# Altium PCB S6 V1.2.PcbDoc (part 2 of 3) (continued)
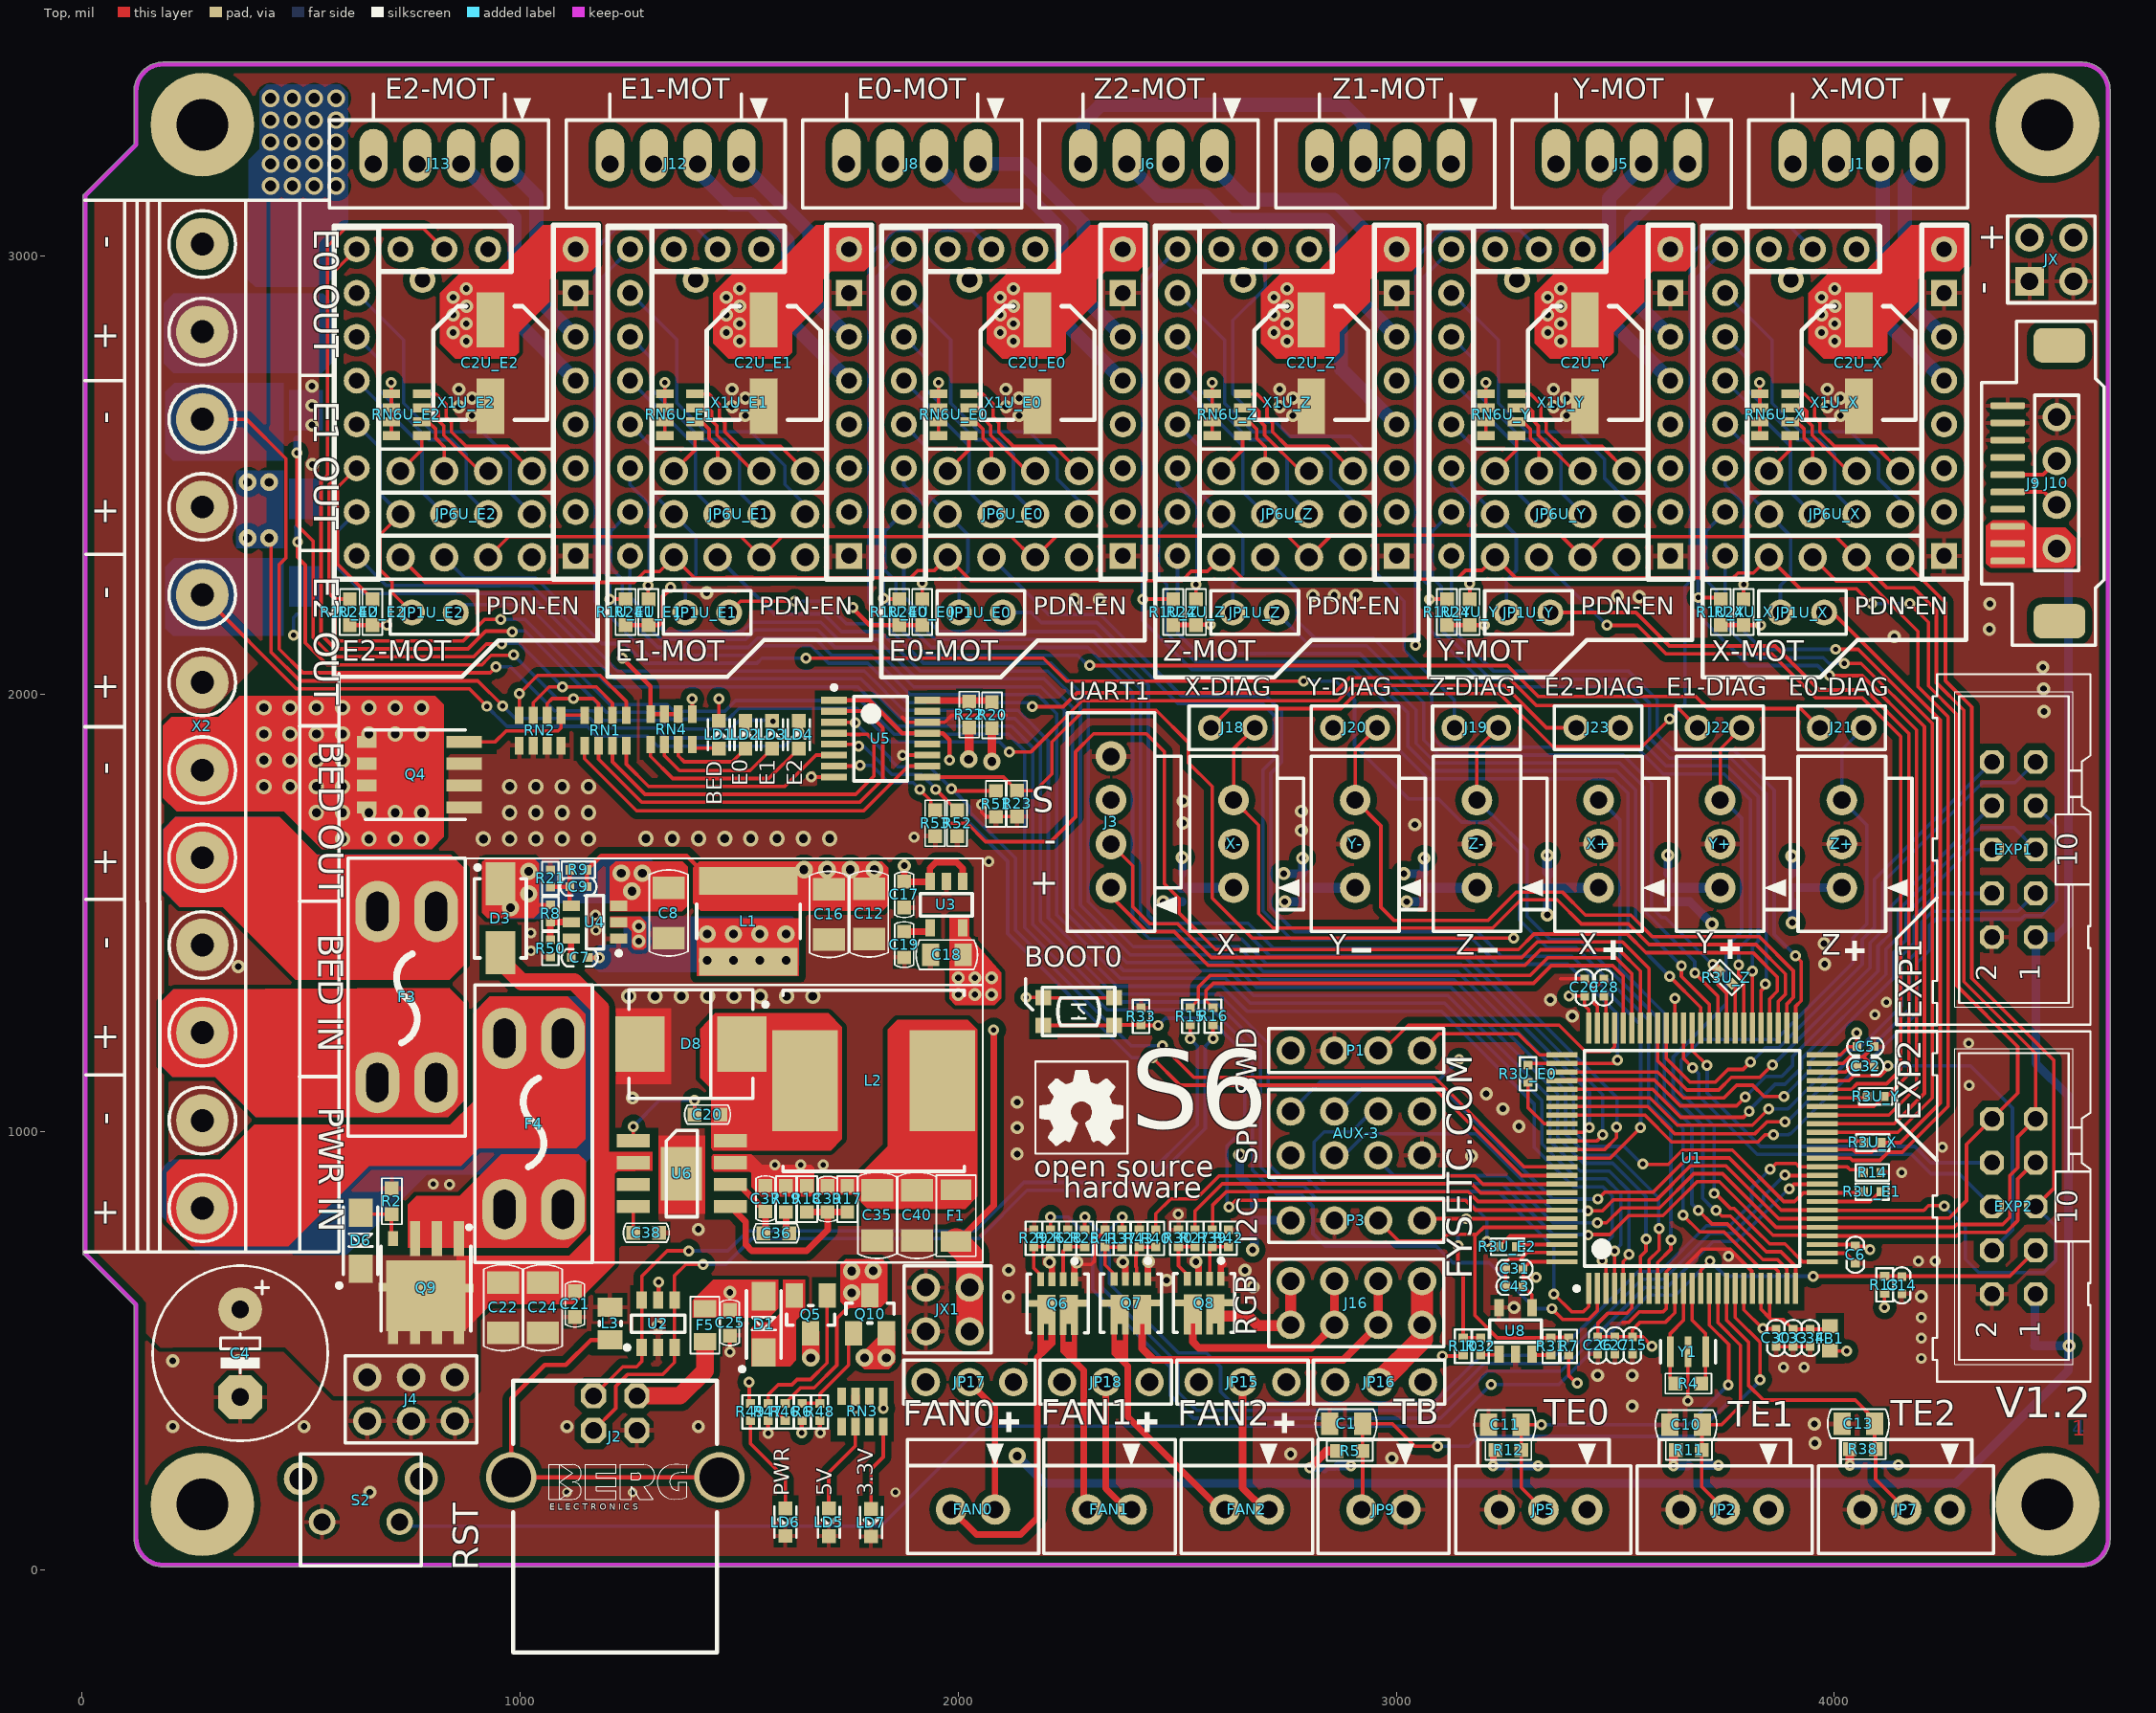
[diagram p0: Top view]
## Nets (pads, with @x,y where several pads share a name; then routed paths per layer and width w, separated by ;. In a path a pad name is that pad's centre, name@x,y a point inside that pad or via, vN(x,y) a via of type N, cw(c..) or ccw(c..) an arc to the next point about the centre after c; other vN are vias at no path point) (continued)
  Bottom w8: X1U_Y.8@3125.9,2315.32 3125.9,2149.01 3222.91,2052 3530.91,2052 3596,1986.91 3596,1907.32 3631.62,1871.69 3771.35,1871.69 3863,1780.04 3863,1451 v1(3911.85,1402.15)
DIRU_Z: U1.60 X1U_Z.8 | length 2051.9
  Top w8: v1(3681.54,1363) 3734.68,1309.86 U1.60@3734.68,1237.24
  Bottom w8: X1U_Z.8@2500.9,2315.32 2500.9,2139.01 2547.91,2092 2702.54,2092 2702.93,2092.39 2795.15,2092.39 2795.54,2092 2848.46,2092 2917,2092 3045,1964 3045,1887.52 3089.83,1842.69 3510.22,1842.69 3564.95,1787.96 3564.95,1505.6 3681.54,1389.01 v1(3681.54,1363)
E0: RN1.6 U5.2 | length 986.4
  Top w8: RN1.6@1179,1882 1179,1851.54 1277.54,1753 1775.3,1753 1828,1805.7 1828,1922.61 1789.61,1961 1717.2,1961 U5.2@1716.7,1960.5
E0-EN: R1U_E0.1 U1.85 X1U_E0.1 | length 3406.5
  Top w8: v1@1824.65,2218 1826.12,2216.53 R1U_E0.1@1866,2216.53 ; U1.85@3378.39,999.06 3429.93,999.06 v1(3441.21,1010.33)
  Bottom w8: X1U_E0.1@1875.9,3015.32 1814,2953.42 1814,2270.61 1829.65,2254.96 v1(1829.65,2218) 1829.65,2215.35 1938.53,2106.47 2296,2106.47 2398,2004.48 2398,1480.01 2437.13,1440.88 2647.21,1440.88 2704.1,1384 3147.76,1384 3441.21,1090.55 v1(3441.21,1010.33)
E0-Heater: R51.1 U1.89 U5.3 | length 2293.7
  Top w8: U5.3@1716.7,1935.5 v1@1765,1935.5 ; v1(1985,1784) 1990.3,1778.7 R51.1@2086.22,1778.7 ; v1(2466,1197.09) 2538.09,1125 3087.58,1125 3292.26,920.32 U1.89@3378.39,920.32
  Bottom w8: v1(1765,1934) 1846.18,1852.82 1846.18,1849.52 1861.71,1834 1934.48,1834 1984.48,1784 v1(1985,1784) 2026.75,1742.25 2026.75,1729.71 2131.04,1625.42 2131.04,1460.73 2394.67,1197.09 v1(2466,1197.09) v1@2469,1197.09
E0-STEP: U1.86 X1U_E0.7 | length 2809.6
  Top w8: U1.86@3378.39,979.37 3457.37,979.37 3471.5,993.5 v1(3471.5,993.96)
  Bottom w8: X1U_E0.7@1875.9,2415.32 1832.18,2371.6 1832.18,2282.9 1857.9,2257.18 1857.9,2214.42 1947.84,2124.47 2303.46,2124.47 2416,2011.93 2416,1487.47 2444.58,1458.88 2654.67,1458.88 2711.55,1402 3155.21,1402 3471.5,1085.71 3471.5,1004.02 3472,1003.52 3471.5,1003.02 v1(3471.5,993.96)
E1: RN1.7 U5.4 | length 861
  Top w8: RN1.7@1210.75,1882 1210.75,1845.25 1285,1771 1766.31,1771 1807.69,1812.39 1807.69,1893.31 1793,1908 1776.48,1908 1775.98,1907.5 1754.02,1907.5 1753.52,1908 1719.2,1908 U5.4@1716.7,1910.5
E1-EN: R1U_E1.1 U1.4 X1U_E1.1 | length 4326.4
  Top w8: v1(1204.47,2216.53) R1U_E1.1@1241,2216.53 ; U1.4@3498.46,642.76 v1(3498.46,728.57)
  Bottom w8: X1U_E1.1@1250.9,3015.32 1189.18,2953.6 1189.18,2279.53 1204.47,2264.24 v1(1204.47,2216.53) 1314.53,2106.47 1521.77,2106.47 1543.3,2128 1671.63,2128 1711.16,2088.47 1800.7,2088.47 1820.68,2068.5 ; 1820.71,2068.5 1890.74,1998.47 1924.32,1998.47 ; 1945.38,1998.47 1924.32,1998.47 ; v1(3498.46,728.57) 3513,743.11 3513,859.34 3479.34,893 3412.74,893 3332.74,973 3332.74,1071.74 3110.48,1294 2666.82,1294 2609.93,1350.88 2369.82,1350.88 2225,1495.71 2225,1955.18 2181.7,1998.47 1924.32,1998.47
E1-Heater: R52.1 U1.90 U5.5 | length 2242.5
  Top w8: U5.5@1716.7,1885.5 1768.5,1885.5 v1(1773,1881) ; v1(1949,1782) R52.1@1996.49,1734.51 ; R52.1@1997.78,1734.51 R52.1@1996.49,1734.51 ; R52.1@2001.47,1729.53 R52.1@1996.49,1734.51 ; v1(2443.25,1170) 2506.25,1107 3080.12,1107 3286.49,900.63 U1.90@3378.39,900.63
  Bottom w8: v1(1773,1881) 1784.25,1881 1849.25,1816 1916.48,1816 1949,1783.48 v1(1949,1782) 2113.04,1617.96 2113.04,1453.27 2396.31,1170 v1(2443.25,1170)
E1-STEP: U1.5 X1U_E1.7 | length 3665.1
  Top w8: U1.5@3518.15,642.76 3518.15,704.32 v1@3537,723.17
  Bottom w8: X1U_E1.7@1250.9,2415.32 1207.18,2371.6 1207.18,2287.46 1232.9,2261.74 1232.9,2213.56 1321.98,2124.47 1514.31,2124.47 1535.84,2146 1679.09,2146 1718.62,2106.47 1808.16,2106.47 1828.13,2086.5 ; 1828.17,2086.5 1898.19,2016.47 2189.16,2016.47 2243,1962.63 2243,1503.16 2377.28,1368.88 2617.39,1368.88 2674.27,1312 3117.94,1312 3350.74,1079.19 3350.74,980.45 3420.2,911 3486.79,911 3531,866.79 v1(3531,721.17)
E2: RN1.8 U5.6 | length 567.3
  Top w8: RN1.8@1242.24,1882 1242.24,1839.86 1293.1,1789 1604,1789 1675.5,1860.5 U5.6@1716.7,1860.5
E2-EN: R1U_E2.1 U1.2 X1U_E2.1 | length 5031.3
  Top w8: R1U_E2.1@611,2216.53 577.71,2216.53 577.18,2216 ; X1U_E2.1@626.9,3015.32 578,2966.42 578,2492.36 563.5,2477.86 563.5,2229.68 577.18,2216 ; v1(956,2170) 919,2170 870,2121 587,2121 577.18,2130.82 577.18,2216 ; v1(3355,596.85) 3379.85,572 3438.79,572 3459.09,592.3 U1.2@3459.09,642.76
  Bottom w8: v1(956,2170) 1011,2170 1205,1976 1335.91,1976 1351.41,1960.5 1467.5,1960.5 1492,1985 1776.9,1985 1783.4,1978.5 1809.5,1952.43 ; 1809.5,1952.4 1853.43,1908.47 2114.07,1908.47 2152,1870.54 2152,1466.88 2340,1278.88 2580.11,1278.88 2636.99,1222 ; 2637,1222 2671.59,1187.41 2671.59,1186.62 2672,1186.21 2672,912.94 2726.2,858.74 2781.78,858.74 2810,830.52 2810,768.34 2838.34,740 3091.27,740 3129.5,701.77 3212.3,701.77 3317.23,596.85 v1(3355,596.85)
E2-Heater: R53.1 U1.54 U5.7 | length 2995.2
  Top w8: U5.7@1716.7,1835.5 1774.5,1835.5 v1(1776,1837) ; v1(1913,1782) 1913,1780.52 1937.5,1756.02 R53.1@1937.5,1737 ; R53.1@1947.48,1734.51 1977,1705 2020.43,1705 2062.43,1663 2211.46,1663 2268,1719.54 2268,1868 2309,1909 2429.55,1909 2471,1867.55 2471,1566 2504.87,1532.13 2504.87,1499.03 2587.4,1416.5 3278.98,1416.5 3314.48,1452 3527.59,1452 3569.66,1409.93 3570.58,1409.93 3571.01,1409.5 3688.78,1409.5 3689.02,1409.26 3711.78,1409.26 3712.02,1409.5 3733.98,1409.5 3734.22,1409.26 3814.6,1409.26 3870,1353.86 3870,1321.52 3852.79,1304.32 U1.54@3852.79,1237.24
  Bottom w8: v1(1776,1837) 1802.8,1837 1841.8,1798 1897,1798 v1(1913,1782)
E2-STEP: U1.1 X1U_E2.7 | length 4210.1
  Top w8: v1(3360,630) 3400,590 3427.54,590 3439.41,601.87 U1.1@3439.41,642.76
  Bottom w8: X1U_E2.7@626.9,2415.32 583.18,2371.6 583.18,2288.82 642.47,2229.53 892.62,2229.53 892.74,2229.41 961.06,2229.41 961.18,2229.53 992.62,2229.53 992.74,2229.41 1020.59,2229.41 1215.53,2034.47 1778.34,2034.47 1798.31,2014.5 1845.5,1967.34 ; 1845.5,1967.31 1868.34,1944.47 2128.98,1944.47 2188,1885.46 2188,1481.8 2354.91,1314.88 2595.02,1314.88 2651.9,1258 2707.59,1202.32 2707.59,1201.53 2708,1201.12 2708,927.85 2741.11,894.74 2796.69,894.74 2826.91,864.52 3232.48,864.52 3360,737 v1(3360,630)
ENC_A: EXP2.8 U1.63 | length 878.6
  Top w8: U1.63@3675.63,1237.24 3675.63,1186.37 v1(3709.87,1152.13)
  Bottom w8: v1(3709.87,1152.13) 3709.87,1088.62 3831.49,967 4183.76,967 4220.76,930 EXP2.8@4360,930
ENC_B: EXP2.6 U1.64 | length 943.1
  Top w8: U1.64@3655.94,1237.24 3655.94,1167.85 v1(3676.79,1147)
  Bottom w8: v1(3676.79,1147) 3690.66,1133.13 3690.66,1082.37 3824.03,949 4176.31,949 4220.31,905 4285,905 EXP2.6@4360,830
ENC_C: EXP1.9 U1.67 | length 1373.3
  Top w8: U1.67@3596.89,1237.24 3596.89,1162.37 3663.27,1096 3736,1096 3765,1125 3830,1125 v1(3858.77,1153.77)
  Bottom w8: v1(3858.77,1153.77) 3860.79,1153.77 4082,1374.98 4082,1432.09 4110,1460.09 4110,1569.54 4338.46,1798 4413,1798 EXP1.9@4460,1845
ENU_X: R1U_X.1 U1.43 X1U_X.1 | length 2616.3
  Top w8: v1(3690,2220) 3737.53,2220 R1U_X.1@3741,2216.53 ; U1.43@3972.87,1038.43 4124.43,1038.43 4188,1102 4188,1917.91 4063.91,2042 v1(3989,2042)
  Bottom w8: 3689.18,2181.1 3689.18,2953.6 X1U_X.1@3750.9,3015.32 ; v1(3690,2220) 3690,2179.75 3804.75,2065 3962,2065 3985,2042 v1(3989,2042)
ENU_Y: R1U_Y.1 U1.56 X1U_Y.1 | length 2427.7
  Top w8: v1(3076.03,2216.53) R1U_Y.1@3116,2216.53 ; v1@3812.89,1363 3813.42,1362.47 U1.56@3813.42,1237.24
  Bottom w8: X1U_Y.1@3125.9,3015.32 3064.18,2953.6 3064.18,2258.36 3076.03,2246.52 v1(3076.03,2216.53) 3076.03,2147.97 3208,2016 3516,2016 3560,1972 3560,1892.41 3616.71,1835.69 3756.44,1835.69 3826.75,1765.38 3826.75,1436 3812.89,1422.14 v1(3812.89,1367) v1@3812.89,1363
ENU_Z: R1U_Z.1 U1.62 X1U_Z.1 | length 2872.5
  Top w8: v1(2421.18,2215.82) 2421.9,2216.53 R1U_Z.1@2491,2216.53 ; v1(3623.85,1355.7) 3695.31,1284.24 U1.62@3695.31,1237.24
  Bottom w8: X1U_Z.1@2500.9,3015.32 2421.18,2935.6 v1(2421.18,2215.82) 2421.18,2167.82 2533,2056 2901,2056 3007,1950 3007,1871.69 3072,1806.69 3495.31,1806.69 3528.95,1773.05 3528.95,1450.6 v1(3623.85,1355.7)
FAN0: R26.1 U1.35 | length 2302.3
  Top w8: R26.1@2210.96,779.37 v1(2210.96,806.32) ; v1@3894,868.05 3906.89,880.95 U1.35@3972.87,880.95
  Bottom w8: v1(2210.96,806.32) 2250.61,806.32 2307,749.93 2307,640.54 2484.52,463.02 2484.52,399.02 2537.02,346.52 3101.06,346.52 3208.54,454 3376.28,454 3568.03,645.76 3618.73,645.76 3723.48,750.5 3776.45,750.5 v1@3894,868.05
  other v1: 3897,870.05
FAN1: R25.1 U1.36 | length 2233.8
  Top w8: R25.1@2288.96,779.37 v1(2288.96,805.86) ; v1@3887,900.63 U1.36@3972.87,900.63
  Bottom w8: v1(2288.96,805.86) 2326,768.82 2326,647 2502.52,470.48 2502.52,406.48 2544.48,364.52 3093.61,364.52 3201.09,472 3368.82,472 3560.58,663.76 3611.28,663.76 3716.02,768.5 3768.99,768.5 3837.94,837.45 3837.94,852.94 v1(3887,902)
FAN2: R14.2 R37.1 U1.37 | length 2306.2
  Top w8: R37.1@2374.28,776.71 v1@2374.28,797.72 ; v1(3853.69,915) 3867.19,928.5 3912.5,928.5 3920.68,920.32 U1.37@3972.87,920.32 4029.76,920.32 4036.08,914 R14.2@4067.31,914
  Bottom w8: v1(2374.28,805.86) 2345.12,776.7 2345.12,653.88 2503,496 2566.54,496 2599,463.54 2599,407 2623.48,382.52 3086.15,382.52 3193.63,490 3361.37,490 3553.12,681.76 3603.82,681.76 3708.57,786.5 3761.53,786.5 3811.65,836.61 3811.65,872.96 v1(3853.69,915)
GND: AUX-3.7 C1.1 C2U_E0.2 C2U_E1.2 C2U_E2.2 C2U_X.2 C2U_Y.2 C2U_Z.2 C4.2 C5.1 C6.1 C8.1 C10.1 C11.1 C12.2 C13.1 C14.1 C15.1 C16.2 C17.1 C18.1 C19.1 C21.1 C22.2 C24.2 C25.1 C26.1 C27.1 C28.1 C29.1 C30.1 C31.1 C32.1 C33.1 C34.1 C35.2 C37.1 C38.1 C40.2 C43.1 D8.1 EXP1.2 EXP2.2 J2.4 J3.4 J4.2 J4.4 J4.6 J9.8 J9.9 J9.10 J10.4 JP2.3 JP5.3 JP7.3 JP9.1 JX1.1 JX1.3 JX.1 JX.3 L3.2 LD5.1 LD6.1 LD7.1 P1.3 P3.3 Q1.1 Q1.2 Q1.3 Q2.1 Q2.2 Q2.3 Q3.1 Q3.2 Q3.3 Q4.1 Q4.2 Q4.3 Q6.1 Q6.3 Q7.1 Q7.3 Q8.1 Q8.3 R2.2 R14.1 R18.2 R19.2 R21.2 R23.2 R28.2 R29.2 R30.2 R33.1 R41.2 R42.2 R43.2 R47.1 R48.1 R50.1 R51.2 R52.2 R53.2 RN2.5 RN2.6 RN2.7 RN2.8 S2.2 U1.10 U1.20 U1.27 U1.49 U1.74 U1.99 U2.2 U3.2 U4.1 U5.8 U5.11 U5.14 U6.7 U6.9 U8.2 U8.5 X1U_E0.9 X1U_E0.15 X1U_E1.9 X1U_E1.15 X1U_E2.9 X1U_E2.15 X1U_X.9 X1U_X.15 X1U_Y.9 X1U_Y.15 X1U_Z.9 X1U_Z.15 X2.9 X2.11 X+.2 X-.2 Y1.2 Y+.2 Y-.2 Z+.2 Z-.2 | length 2246.9
  Top w8: v1(1478.82,497.82) C25.1@1478.82,535.47 ; v1(1566,312) R47.1@1566,341.47 ; v1(1664.5,1810.5) U5.8@1716.7,1810.5 ; R48.1@1684,341.47 1685,340.47 v1@1685,315 ; v1@1867.68,1860.5 v1(1872.68,1860.5) U5.11@1929.3,1860.5 ; 1871.79,1947.74 1884.04,1935.5 U5.14@1929.3,1935.5 1969.5,1935.5 1985.14,1951.14 2109.21,1951.14 ; v1(2053.25,1747.3) 2053.25,1729.97 2063.58,1719.64 R51.2@2086.22,1719.64 2086.61,1720.03 R23.2@2134.53,1720.03 ; v2@2271.07,697.66 2303.42,697.66 2311.59,705.82 2311.59,753.02 R41.2@2335.28,776.71 ; C43.1@3250.31,648 3249.31,649 3249.31,702.14 3257.18,710 3284,710 3298.84,724.84 3368.62,724.84 3370,723.46 U1.99@3378.39,723.46 ; 3375,1349.68 C29.1@3430,1349.68 3430.31,1349.68 3452.16,1327.84 ; U1.74@3459.09,1237.24 3459.09,1286.64 3452.16,1293.57 3452.16,1327.84 ; C28.1@3474,1345 C28.1@3480,1345 ; C28.1@3474,1349.68 3452.16,1327.84 ; 3517.13,566 3531.54,566 3555.54,590 3609.77,590 3616.57,596.81 U1.10@3616.57,642.76 3616.57,681.38 3629.62,694.43 3661,694.43 3699.07,732.5 3762.31,732.5 3811.65,683.16 3811.65,672.62 3813.42,672.62 U1.20@3813.42,642.76 ; v1@3666,388 Y1.2@3666,498 ; C30.1@3867,510.32 C33.1@3906,510.32 C34.1@3945,510.32 ; U1.27@3972.87,723.46 4025.54,723.46 C6.1@4044,705 ; U1.49@3972.87,1156.54 4019.99,1156.54 4035.3,1171.84 4065.46,1171.84 4066.15,1172.54 ; C32.1@4090.68,1148 4066.15,1172.54 ; C5.1@4090.68,1196 4067.22,1172.54 4066.15,1172.54
  Top w15: v2@2208.43,697.66 2214.16,691.93 Q6.3@2214.16,664.12 ; Q6.1@2265.34,664.12 2265.34,691.93 v2@2271.07,697.66 ; v2@2375.91,698 2381.64,692.27 Q7.3@2381.64,664.46 ; Q7.1@2432.82,664.46 2432.82,692.27 v2@2438.55,698 ; v2@2542.79,698.66 2548.52,692.93 Q8.3@2548.52,665.12 ; Q8.1@2599.7,665.12 2599.7,692.93 2605.43,698.66
  Bottom w8: Q3.3@490.73,2208.2 Q3.2@490.73,2233.8
  other v1: 1685,313 3666,387 3884.26,463 3930.9,463 4199,483.23 4199,529.87 4199,576.51 4192.22,705.36 4230,705.32 3759,715.97 2502.11,812.53 838.86,880 802,881.05 4154,907.31 1581.31,925 1640.68,924.69 1692,925 4247,965.68 4307.84,1106.04 4306.46,1202.98 4093,1268 4119.48,1296 1025,1413.8 1024.34,1454.28 1172.74,1460.8 1172,1495 2069.84,1618 1899.13,1673.19
  other v2: 656.77,177.8 2990,255.3 2759,265 3956,289.74 206.77,327.8 506.77,327.8 1106.77,327.8 1406.77,327.8 3954.84,333.7 3538.72,374.3 3459.82,444.7 3538.82,444.7 206.77,477.8 356.77,477.8 1315,558 3269,599.46 2114.46,624 4198.5,624.7 2673.34,646.65 2476,661.91 2115.02,684.74 2654.7,684.4 2208.43,703.02 2271.07,703.02 2375.91,703.36 2542.79,704.02 2434.75,704.37 1406.77,777.8 3171.82,945 2134.43,950 2135,1010.33 3280,1013.14 3243.3,1053 2134.43,1068 1256.77,1077.8 3205.57,1087.49 3402,1264.58 3352,1302 356.77,1377.8 3978.12,1383.43 3976.75,1430.27 2783.89,1688.32 3042.51,1701.53 2513.56,1705.45 2783.89,1732.48 2514,1755.46 4479,1960 4477.7,2012 4476.3,2061 4137,2130.68 4354,2148 4355.13,2206 2266,2215.5 2322.16,2216 3555,2222.26 3505,2223.21 2810,2225.08 2858.34,2225.08 2908.23,2225.08 1425.77,2231 526,2524 525,2614 890,2635.57 1514,2635.57 2139,2635.57 2764,2635.57 3389,2635.57 4014,2635.57 860,2655.57 1484,2655.57 2109,2655.57 2734,2655.57 3359,2655.57 3984,2655.57 525,2658.4 890,2675.57 1514,2675.57 2139,2675.57 2764,2675.57 3389,2675.57 4014,2675.57 860,2695.57 1484,2695.57 2109,2695.57 2734,2695.57 3359,2695.57 3984,2695.57 525,2702.79
  other v3: 1248.27,1310 1308.27,1310 1368.27,1310 1428.27,1310 1487.96,1310 1547.96,1310 1607.96,1310 1667.96,1310 916.31,1669 976.31,1669 1036.31,1669 1096.31,1669 1156.31,1669 1287,1670 1347,1670 1407,1670 1467,1670 1526.69,1670 1586.69,1670 1646.69,1670 1706.69,1670 976.31,1729 1036.31,1729 1096.31,1729 1156.31,1729 976.31,1789 1036.31,1789 1096.31,1789 1156.31,1789
  other v6: 1106.77,177.8 1256.77,177.8 1856.77,177.8
Heated-Bed: R23.1 U1.65 U5.9 | length 2355.3
  Top w8: U5.9@1929.3,1810.5 2103.12,1810.5 R23.1@2134.53,1779.09 2175.63,1779.09 2214,1817.46 2214,1890.37 2286.63,1963 2451.92,1963 2525,1889.92 2525,1843.61 2579.74,1788.87 2579.74,1534.26 2671,1443 v1(3268,1443) ; U1.65@3636.26,1237.24 v1(3636.26,1304.74)
  GND w8: v1(3268,1443) 3268.09,1442.91 3498.09,1442.91 v1(3636.26,1304.74)
LCD_D4: EXP1.6 U1.78 | length 1343.3
  Top w8: U1.78@3378.39,1136.85 3596.96,1136.85 3655.81,1078 3748,1078 3777,1107 3813.95,1107 3839.95,1081 v1(3885,1081)
  Bottom w8: v1(3885,1081) 3944.54,1140.54 3944.54,1161.16 4136,1352.61 4136,1409.72 4164,1437.72 4164,1498.09 4310.91,1645 EXP1.6@4360,1645
LCD_D5: EXP1.5 U1.80 | length 1492.3
  Top w8: U1.80@3378.39,1097.48 3585.42,1097.48 3649.09,1033.81 3792.81,1033.81 v1(3806,1047)
  Bottom w8: v1@3801,1045 v1@3803,1047 ; v1(3806,1047) v1@3803,1047 ; EXP1.5@4460,1645 4410,1695 4335.46,1695 4146,1505.54 4146,1445.18 4118,1417.18 4118,1360.07 3926,1168.07 3926,1147.46 3887.54,1109 3865,1109 v1@3803,1047
LCD_D6: EXP1.4 U1.81 | length 1329.1
  Top w8: U1.81@3378.39,1077.8 3579.65,1077.8 3641.64,1015.81 3812.89,1015.81 v1(3850.09,1053)
  Bottom w8: v1(3850.09,1053) 3894,1053 3895.5,1054.5 3895.98,1054.5 3911.5,1070.02 3911.5,1070.5 4028,1187 4053,1187 4154,1288 4154,1402.27 4182,1430.27 4182,1490.63 4236.37,1545 EXP1.4@4360,1545
LCD_D7: EXP1.3 U1.82 | length 1435.1
  Top w8: U1.82@3378.39,1058.11 3573.88,1058.11 3636.3,995.69 3818.23,995.69 3834.04,1011.5 3834.5,1011.5 3846,1023 v1(3887.29,1023)
  Bottom w8: v1(3887.29,1023) 3891.57,1023 4037.57,1169 4060.46,1169 4172,1280.54 4172,1394.81 4200,1422.81 4200,1479.46 4224.54,1504 4419,1504 EXP1.3@4460,1545
LCD_EN: EXP1.8 J9.6 J10.3 U1.79 | length 2348.4
  Top w8: U1.79@3378.39,1117.17 3380.07,1118.85 3589.5,1118.85 3648.35,1060 3776.82,1060 v1(3797,1080.18) v1@3797,1083.95 ; J9.6@4396,2500.63 4476.63,2500.63 J10.3@4508,2532
  GND w8: EXP1.8@4360,1745 4401,1786 4401,2350.46 4449.27,2398.73 4449.27,2473.27 J10.3@4508,2532
  Bottom w8: v1(3797,1080.18) 3843.82,1127 3880.09,1127 3904.58,1151.5 3904.58,1172.11 4100,1367.52 4100,1424.63 4128,1452.63 4128,1513 EXP1.8@4360,1745
LCD_RS: EXP1.7 J9.5 J10.2 U1.83 | length 2584.1
  Top w8: U1.83@3378.39,1038.43 3568.1,1038.43 3628.84,977.69 3825.69,977.69 3841.5,993.5 v1(3861,993.5) ; J9.5@4396,2461.26 4478.74,2461.26 J10.2@4508,2432
  GND w8: EXP1.7@4460,1745 4419,1786 4419,2343 J10.2@4508,2432
  Bottom w8: v1(3861,993.5) 3895.04,993.5 3897.54,996 3900.71,996 4054.71,1150 4066.91,1150 4190,1273.09 4190,1387.35 4218,1415.35 4218,1472 4232,1486 4426.46,1486 4434.46,1494 4473,1494 4508,1529 4508,1697 EXP1.7@4460,1745
LED-B: R39.1 U1.93 | length 876
  Top w8: R39.1@2580.68,776.69 2580.68,832.68 2612,864 3164.39,864 3186.81,841.58 U1.93@3378.39,841.58
LED-G: R40.1 U1.91 | length 1007.6
  Top w8: R40.1@2451.28,776.71 2451.28,813.48 2485.42,847.63 2543.16,847.63 2595.53,900 3179.3,900 3198.35,880.95 U1.91@3378.39,880.95
LED-R: R27.1 U1.92 | length 914.4
  Top w8: R27.1@2540.81,777.37 2540.81,819.83 2602.98,882 3171.84,882 3192.58,861.26 U1.92@3378.39,861.26
MISO: AUX-3.3 EXP2.10 JP6U_E0.12 JP6U_E1.12 JP6U_E2.12 JP6U_X.12 JP6U_Y.12 JP6U_Z.12 U1.31 | length 6859.6
  Top w8: JP6U_E2.12@726.9,2311.89 783.79,2255 1260,2255 1284.38,2279.38 1318.39,2279.38 JP6U_E1.12@1350.9,2311.89 1397.38,2265.41 1470.15,2265.41 1470.74,2266 1531.06,2266 1531.65,2265.41 1570.15,2265.41 1570.74,2266 1631.06,2266 1631.65,2265.41 1891.41,2265.41 1908,2282 1946.01,2282 JP6U_E0.12@1975.9,2311.89 2028.79,2259 2511,2259 2532.14,2280.14 2569.15,2280.14 JP6U_Z.12@2600.9,2311.89 2650.79,2262 3138,2262 3158.18,2282.18 3196.19,2282.18 JP6U_Y.12@3225.9,2311.89 3272.79,2265 3768.77,2265 3780.27,2276.5 3815.51,2276.5 JP6U_X.12@3850.9,2311.89 3922.97,2239.82 4051.18,2239.82 v1(4085,2206) ; v1(3437,820) 3470.21,820 3470.71,820.5 3470.98,820.5 3486.5,836.02 3486.5,836.29 3495.21,845 3594.08,845 3671.87,922.79 3752.6,922.79 3873.18,802.21 U1.31@3972.87,802.21 3974.17,803.5 4262,803.5 4302,843.5 4302,972 EXP2.10@4360,1030 4419,1089 4419,1195.09 4278,1336.09 4278,1955.19 4215,2018.19 4215,2164 v1(4173,2206)
  Bottom w8: AUX-3.3@2859,947 2881,947 2930.22,996.22 3181.78,996.22 3358,820 v1(3437,820) ; v1(4085,2206) v1(4173,2206)
MOSI: AUX-3.4 EXP2.5 JP6U_E0.9 JP6U_E1.9 JP6U_E2.9 JP6U_X.9 JP6U_Y.9 JP6U_Z.9 U1.32 | length 7226.4
  Top w8: v1(3460,847) 3476,863 3586.62,863 3664.42,940.79 3760.05,940.79 3878.95,821.89 U1.32@3972.87,821.89 3973.26,821.5 4204.5,821.5 4215,832 4250.32,832 v1(4251.32,831) ; JP6U_X.9@4150.9,2311.89 4254,2208.79 4254,2030.1 4314,1970.1 4314,1351 4501,1164 4501,871 EXP2.5@4460,830
  GND w8: JP6U_E2.9@1026.9,2311.89 1075.88,2360.87 1601.92,2360.87 JP6U_E1.9@1650.9,2311.89 ; JP6U_E1.9@1650.9,2303.62 1708.98,2245.54 1757.67,2245.54 1812,2191.21 1913.23,2191.21 1974.02,2252 2216.01,2252 JP6U_E0.9@2275.9,2311.89 2325.23,2361.22 2851.57,2361.22 JP6U_Z.9@2900.9,2311.89 3025.8,2187 3165,2187 3236,2258 3472.01,2258 JP6U_Y.9@3525.9,2311.89 3576.01,2362 4100.79,2362 JP6U_X.9@4150.9,2311.89
  Bottom w8: JP6U_E1.9@1650.9,2303.62 JP6U_E1.9@1650.9,2311.89 ; AUX-3.4@2859,1036 2920,1097 3107.35,1097 3357.35,847 v1(3460,847) ; v1(4251.32,831) 4299,783.32 4299,710.02 4329.61,679.42 4478.42,679.42 4505,706 4505,785 EXP2.5@4460,830
MS1U_E0: JP6U_E0.1 X1U_E0.2 | length 737.5
  Bottom w8: X1U_E0.2@1875.9,2915.32 1983,2808.22 1983,2664 2048.45,2598.55 2162.45,2598.55 2226,2535 2226,2491 2275.9,2441.1 JP6U_E0.1@2275.9,2410.32
MS1U_E1: JP6U_E1.1 X1U_E1.2 | length 731.2
  Bottom w8: X1U_E1.2@1250.9,2915.32 1358,2808.22 1358,2664 1423.45,2598.55 1526.82,2598.55 1604.42,2520.95 1604.42,2478.06 1650.9,2431.58 JP6U_E1.1@1650.9,2410.32
MS1U_E2: JP6U_E2.1 X1U_E2.2 | length 737.5
  Bottom w8: X1U_E2.2@626.9,2915.32 734,2808.22 734,2664 799.45,2598.55 913.45,2598.55 977,2535 977,2460.22 JP6U_E2.1@1026.9,2410.32
MS1U_X: JP6U_X.1 X1U_X.2 | length 737.5
  Bottom w8: X1U_X.2@3750.9,2915.32 3858,2808.22 3858,2664 3923.45,2598.55 4037.45,2598.55 4101,2535 4101,2492 4150.9,2442.1 JP6U_X.1@4150.9,2410.32
MS1U_Y: JP6U_Y.1 X1U_Y.2 | length 737.5
  Bottom w8: X1U_Y.2@3125.9,2915.32 3233,2808.22 3233,2664 3298.45,2598.55 3412.45,2598.55 3476,2535 3476,2491.9 3525.9,2442 JP6U_Y.1@3525.9,2410.32
MS1U_Z: JP6U_Z.1 X1U_Z.2 | length 745
  Bottom w8: X1U_Z.2@2500.9,2915.32 2608,2808.22 2608,2664 2673.45,2598.55 2717.45,2598.55 2751,2565 2821,2565 2851,2535 2851,2491 2910,2432 2910,2419.42 JP6U_Z.1@2900.9,2410.32
MS2U_E0: JP6U_E0.2 X1U_E0.3 | length 559.7
  Bottom w8: X1U_E0.3@1875.9,2815.32 1924.39,2766.82 1924.39,2696.6 2039,2582 2039.54,2582 2040.99,2580.55 2092.45,2580.55 2126,2547 2126,2460.22 JP6U_E0.2@2175.9,2410.32
MS2U_E1: JP6U_E1.2 X1U_E1.3 | length 559.7
  Bottom w8: X1U_E1.3@1250.9,2815.32 1299.39,2766.82 1299.39,2696.6 1414,2582 1414.54,2582 1415.99,2580.55 1467.45,2580.55 1501,2547 1501,2460.22 JP6U_E1.2@1550.9,2410.32
MS2U_E2: JP6U_E2.2 X1U_E2.3 | length 559.7
  Bottom w8: X1U_E2.3@626.9,2815.32 675.39,2766.82 675.39,2696.6 790,2582 790.54,2582 791.99,2580.55 843.45,2580.55 877,2547 877,2460.22 JP6U_E2.2@926.9,2410.32
MS2U_X: JP6U_X.2 X1U_X.3 | length 559.7
  Bottom w8: X1U_X.3@3750.9,2815.32 3799.39,2766.82 3799.39,2696.6 3914,2582 3914.54,2582 3915.99,2580.55 3967.45,2580.55 4001,2547 4001,2460.22 JP6U_X.2@4050.9,2410.32
MS2U_Y: JP6U_Y.2 X1U_Y.3 | length 559.7
  Bottom w8: X1U_Y.3@3125.9,2815.32 3174.39,2766.82 3174.39,2696.6 3289,2582 3289.54,2582 3290.99,2580.55 3342.45,2580.55 3376,2547 3376,2460.22 JP6U_Y.2@3425.9,2410.32
MS2U_Z: JP6U_Z.2 X1U_Z.3 | length 555.4
  Bottom w8: X1U_Z.3@2500.9,2815.32 2549.39,2766.82 2549.39,2696.6 2664,2582 2664.54,2582 2665.99,2580.55 2709.99,2580.55 2751,2539.54 2751,2460.22 JP6U_Z.2@2800.9,2410.32
MS3U_E0: JP6U_E0.3 X1U_E0.4 | length 387.8
  Bottom w8: X1U_E0.4@1875.9,2715.32 2025,2566.22 2025,2461.22 JP6U_E0.3@2075.9,2410.32
MS3U_E1: JP6U_E1.3 X1U_E1.4 | length 387.8
  Bottom w8: X1U_E1.4@1250.9,2715.32 1400,2566.22 1400,2461.22 JP6U_E1.3@1450.9,2410.32
MS3U_E2: JP6U_E2.3 X1U_E2.4 | length 387.8
  Bottom w8: X1U_E2.4@626.9,2715.32 776,2566.22 776,2461.22 JP6U_E2.3@826.9,2410.32
MS3U_X: JP6U_X.3 X1U_X.4 | length 387.8
  Bottom w8: X1U_X.4@3750.9,2715.32 3900,2566.22 3900,2461.22 JP6U_X.3@3950.9,2410.32
MS3U_Y: JP6U_Y.3 X1U_Y.4 | length 387.8
  Bottom w8: X1U_Y.4@3125.9,2715.32 3275,2566.22 3275,2461.22 JP6U_Y.3@3325.9,2410.32
MS3U_Z: JP6U_Z.3 X1U_Z.4 | length 387.8
  Bottom w8: X1U_Z.4@2500.9,2715.32 2650,2566.22 2650,2461.22 JP6U_Z.3@2700.9,2410.32
NetC7_1: C7.1 U4.6 | length 43.7
  Top w15: C7.1@1116.31,1398.22 1116.31,1440.86 U4.6@1117.05,1441.6
NetC7_2: C7.2 L1.1 U4.2 | length 25.1
  Top w10: C7.2@1155.68,1398.22 v1(1180.74,1398.22)
  other v2: 1270.59,1435.49 1270.59,1469.49
  other v4: 1427,1392 1487,1392 1547,1392 1607,1392 1427,1452 1487,1452 1547,1452 1607,1452
NetC8_2: C8.2 D3.2 R8.2 U4.3 | length 144.1
  Top w10: D3.2@955,1566.74 955,1549.49 977.43,1527.06 979,1527.06 987.57,1518.49 R8.2@1069,1518.49
  other v4: 978,1512 1019.57,1544 1255.29,1550 1231,1591 1279,1591 1019.57,1595
NetC9_2: C9.2 R9.2 R21.1 U4.4 | length 128.4
  Top w10: R21.1@1069,1559.32 1069.68,1560 C9.2@1113.31,1560 ; R9.2@1113.31,1598.68 C9.2@1113.31,1560 ; U4.4@1117.05,1516.4 1113.31,1520.14 C9.2@1113.31,1560
NetC19_2: C19.2 U3.4 | length 62.3
  Top w15: C19.2@1876.79,1457.53 1927.28,1457.53 U3.4@1935.6,1465.85
NetC20_1: C20.1 D8.2 L2.1 U6.8
NetC20_2: C20.2 U6.1 | length 212.6
  Top w8: U6.1@1258.54,984.97 v1@1258.54,1008.89 ; C20.2@1398.47,1044.97 v1@1398.47,1068.89
  Bottom w8: v1(1258.54,1012.89) 1318.54,1072.89 v1(1398.47,1072.89)
NetC28_2: C28.2 U1.73 | length 76.9
  Top w8: C28.2@3474,1310.32 3477.24,1310.32 3478.78,1308.78 U1.73@3478.78,1237.24
NetC32_2: C32.2 U1.48 | length 83.9
  Top w8: U1.48@3972.87,1136.85 4025.76,1136.85 4038.91,1150 C32.2@4051.31,1150
NetC35_1: C35.1 C39.1 C40.1 F1.1 L2.2 R17.1
NetC36_1: C36.1 R19.1 | length 51.2
  Top w15: R19.1@1607,817.47 1607,775.53 C36.1@1613.53,769
NetC36_2: C36.2 C37.2 U6.6 | length 158.1
  Top w8: U6.6@1480,880 U6.6@1500,880 ; C37.2@1560,818.47 C37.2@1560,820
  Top w15: U6.6@1500,880 C37.2@1560,820 ; C36.2@1554.47,769 1560,774.53 C37.2@1560,818.47
NetC38_2: C38.2 U6.4 | length 60
  Top w8: C38.2@1258.47,770 1258.54,770.07 U6.4@1258.54,830
NetC39_2: C39.2 R17.2 R18.1 U6.5 | length 446.7
  Top w15: U6.5@1480,830 1515,795 1515,743 1529,729 1654,729 1702,777 C39.2@1702,817.47 ; R18.1@1655,817.47 R17.2@1747,817.47
NetD1_2: D1.2 Q5.2
NetD6_1: D6.1 Q9.4 R2.1 | length 128.3
  Top w8: D6.1@636,815.98 639.5,812.47 R2.1@707,812.47 706,811.47 Q9.4@706,757
NetF3_1: F3.1 X2.10
NetF4_1: F4.1 X2.12
NetF4_2: F4.2 Q9.1 Q9.2 Q9.3
NetF5_1: F5.1 J2.1 | length 245.2
  Top w40: J2.1@1266.77,397.85 1364.85,397.85 1422,455 F5.1@1422,521.28
NetFAN0_1: FAN0.1 JP17.2 | length 314.6
  Top w15: JP17.2@2026,429 2084,371 FAN0.1@2084,138.43
NetFAN0_2: FAN0.2 Q6.5 Q6.6 | length 638.2
  Top w15: FAN0.2@1984,138.43 2041.58,80.84 2142.75,80.84 2180.98,119.08 2180.98,485.55 2192,496.57 2192,506 2202,506
NetFAN1_1: FAN1.1 JP18.2 | length 311.1
  Top w15: JP18.2@2337,429 2337,186.5 FAN1.1@2385.5,138
NetFAN1_2: FAN1.2 Q6.7 Q6.8 | length 381.6
  Top w15: 2252,491 2287.02,455.98 2287.02,139.52 FAN1.2@2285.5,138
  Top w25: FAN1.2@2272,138 FAN1.2@2285.5,138
NetFAN2_1: FAN2.1 JP15.2 | length 311.7
  Top w17: JP15.2@2649,429 2649,188 FAN2.1@2699,138
NetFAN2_2: FAN2.2 Q7.5 Q7.6 | length 438.4
  Top w15: 2371,482 2387.02,465.98 2387.02,349.98 FAN2.2@2599,138
NetJ2_S1: J2.S1 J2.S2 L3.1 | length 935.9
  Top w10: L3.1@1205.31,525.6 1161.6,525.6 1104.5,468.5 1056.5,468.5 979.76,391.76 J2.S1@979.76,211.85 J2.S2@1454.77,211.85
NetJ6_2: J6.2 J7.1 | length 847.4
  GND w32: J6.2@2485,3210 2485,3292 2536,3343 3076,3343 3125,3294 J7.1@3125,3210
NetJ6_4: J6.4 J7.3 | length 860.2
  Bottom w32: J6.4@2285,3210 2285,3305 2325,3345 2880,3345 2925,3300 J7.3@2925,3210
NetJ16_1: J16.1 J16.2 JP16.2 | length 274.2
  Top w50: JP16.2@2961,429 3059,527 J16.2@3059,559.76 3059,657.76 3061,659.76 J16.1@3059,659.76
NetJP6U_E0_5: JP6U_E0.5 RN6U_E0.4 | length 354.3
  Top w8: RN6U_E0.4@2024.45,2685 2057,2685 2080,2662 2080,2632.09 2092.45,2619.64 2092.45,2598.55 2126,2565 2219.64,2565 JP6U_E0.5@2275.9,2508.74
NetJP6U_E0_6: JP6U_E0.6 RN6U_E0.3 | length 235.5
  Top w8: RN6U_E0.3@2024.45,2653 2054,2653 2062,2645 2062,2624.63 2074.45,2612.18 2074.45,2591.1 2156.8,2508.74 JP6U_E0.6@2175.9,2508.74
NetJP6U_E0_7: JP6U_E0.7 RN6U_E0.2 | length 142.9
  Top w8: RN6U_E0.2@2024.45,2621.25 2039.92,2621.25 2056.45,2604.73 2056.45,2583.64 2075.9,2564.19 JP6U_E0.7@2075.9,2508.74
NetJP6U_E0_8: JP6U_E0.8 RN6U_E0.1 | length 101.1
  Top w8: JP6U_E0.8@1975.9,2508.74 2024.45,2557.29 RN6U_E0.1@2024.45,2589.76